# Altium PCB 6sPwr.PcbDoc (part 1 of 2)
Units mm, origin at the board's own origin, x right, y up, seen from the top; angles counter-clockwise.
Board outline 38.5 x 38.5 mm, 4 copper layers (Top Layer (L1), Ground (L2), Ground (L3), Bottom Layer (L4)), stack 1.558 mm thick; 111 components, 79 nets, 365 pads, 302 vias.
Unrouted connection lines stored in the file: 17.
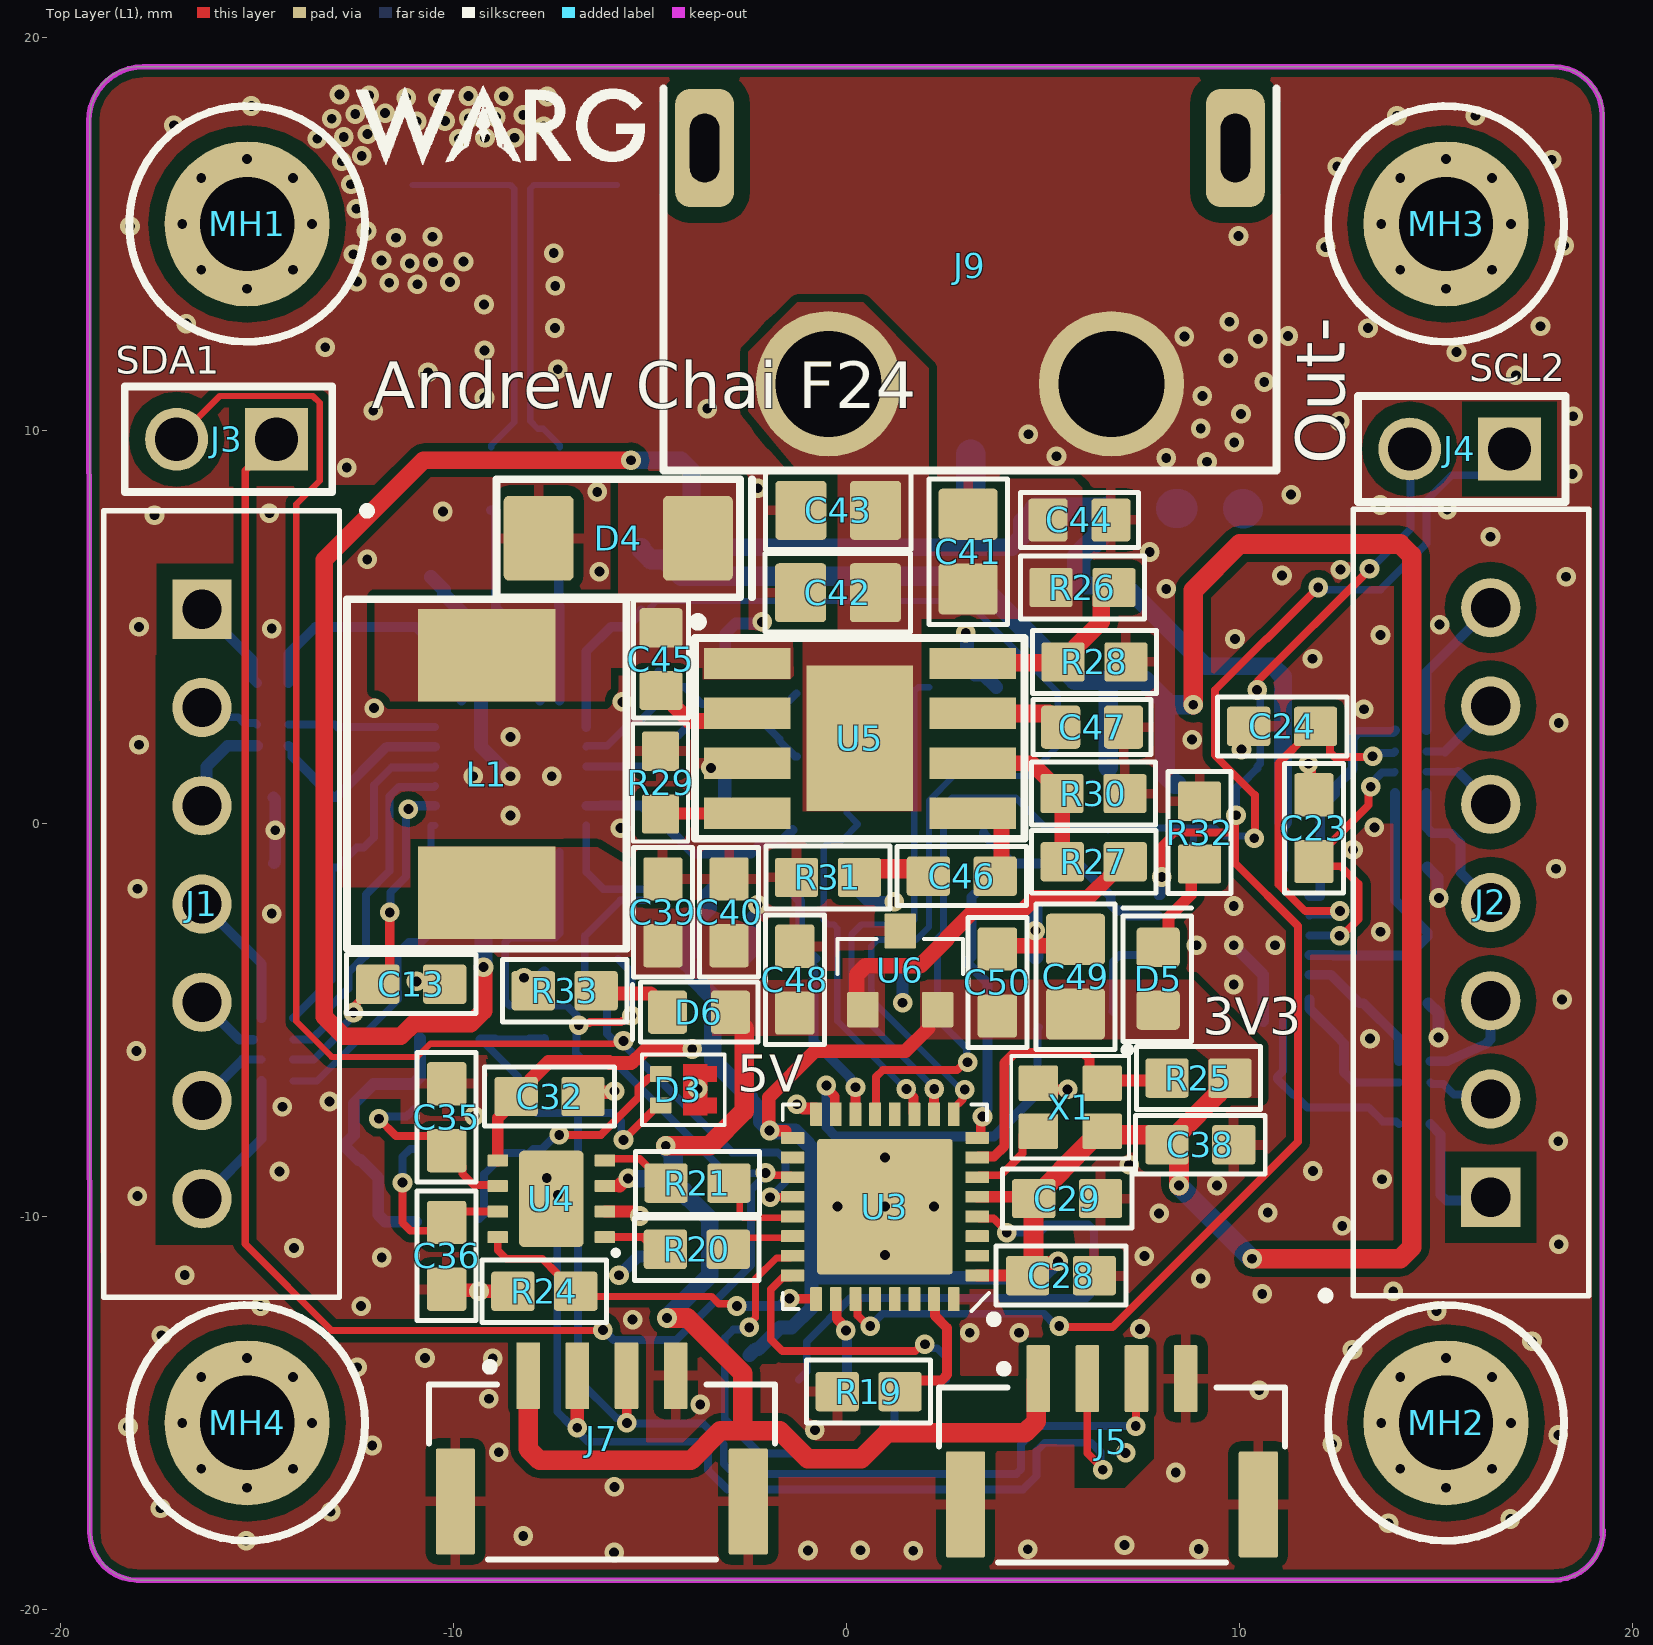
[diagram p0: Top Layer (L1) view]
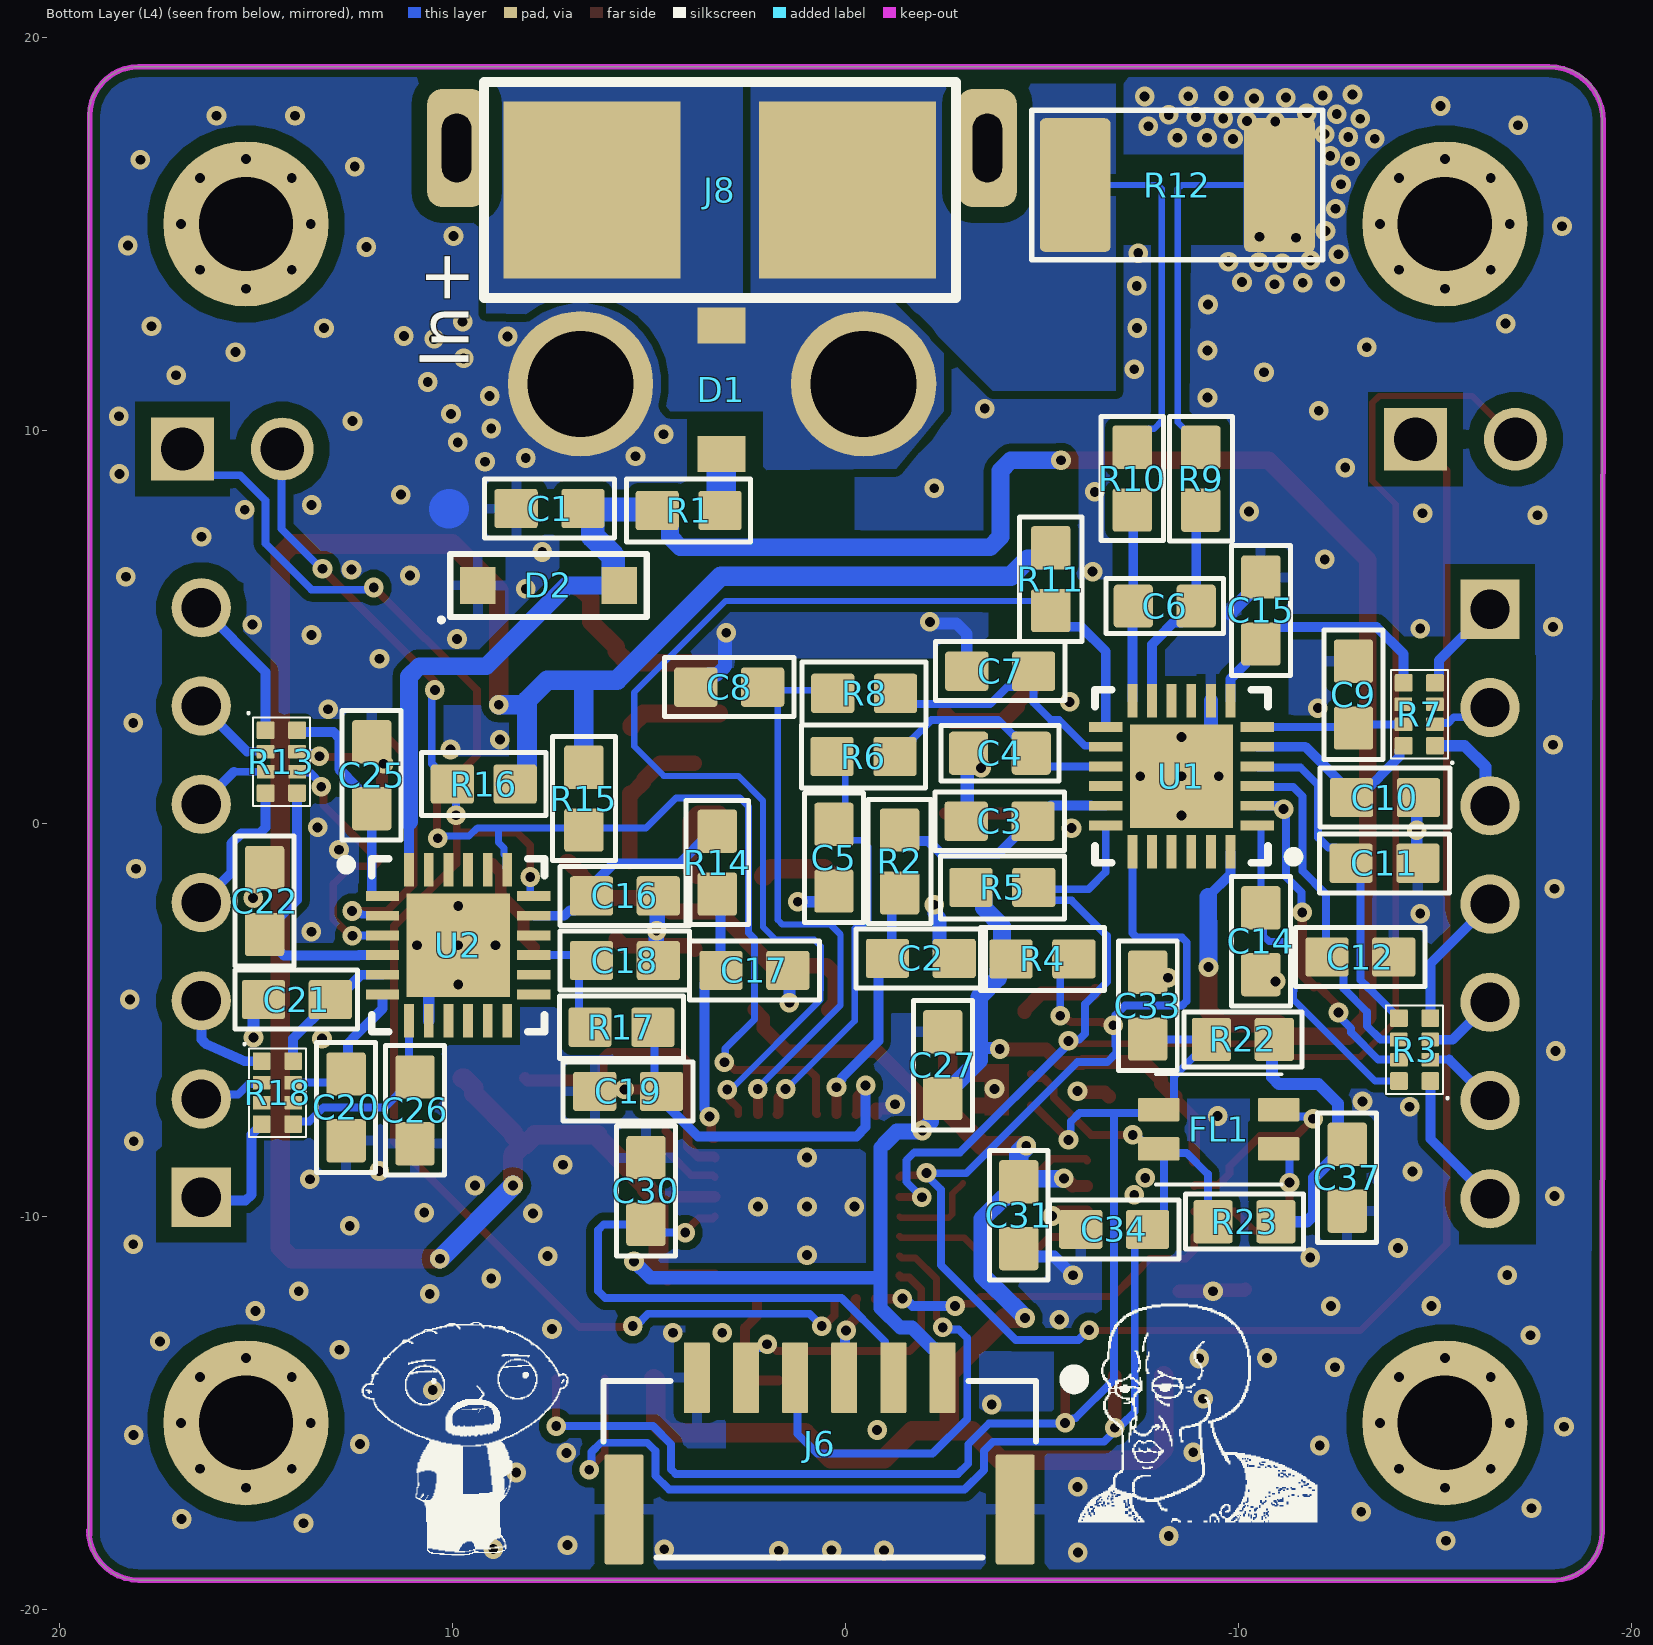
[diagram p1: Bottom Layer (L4) view, seen from below]
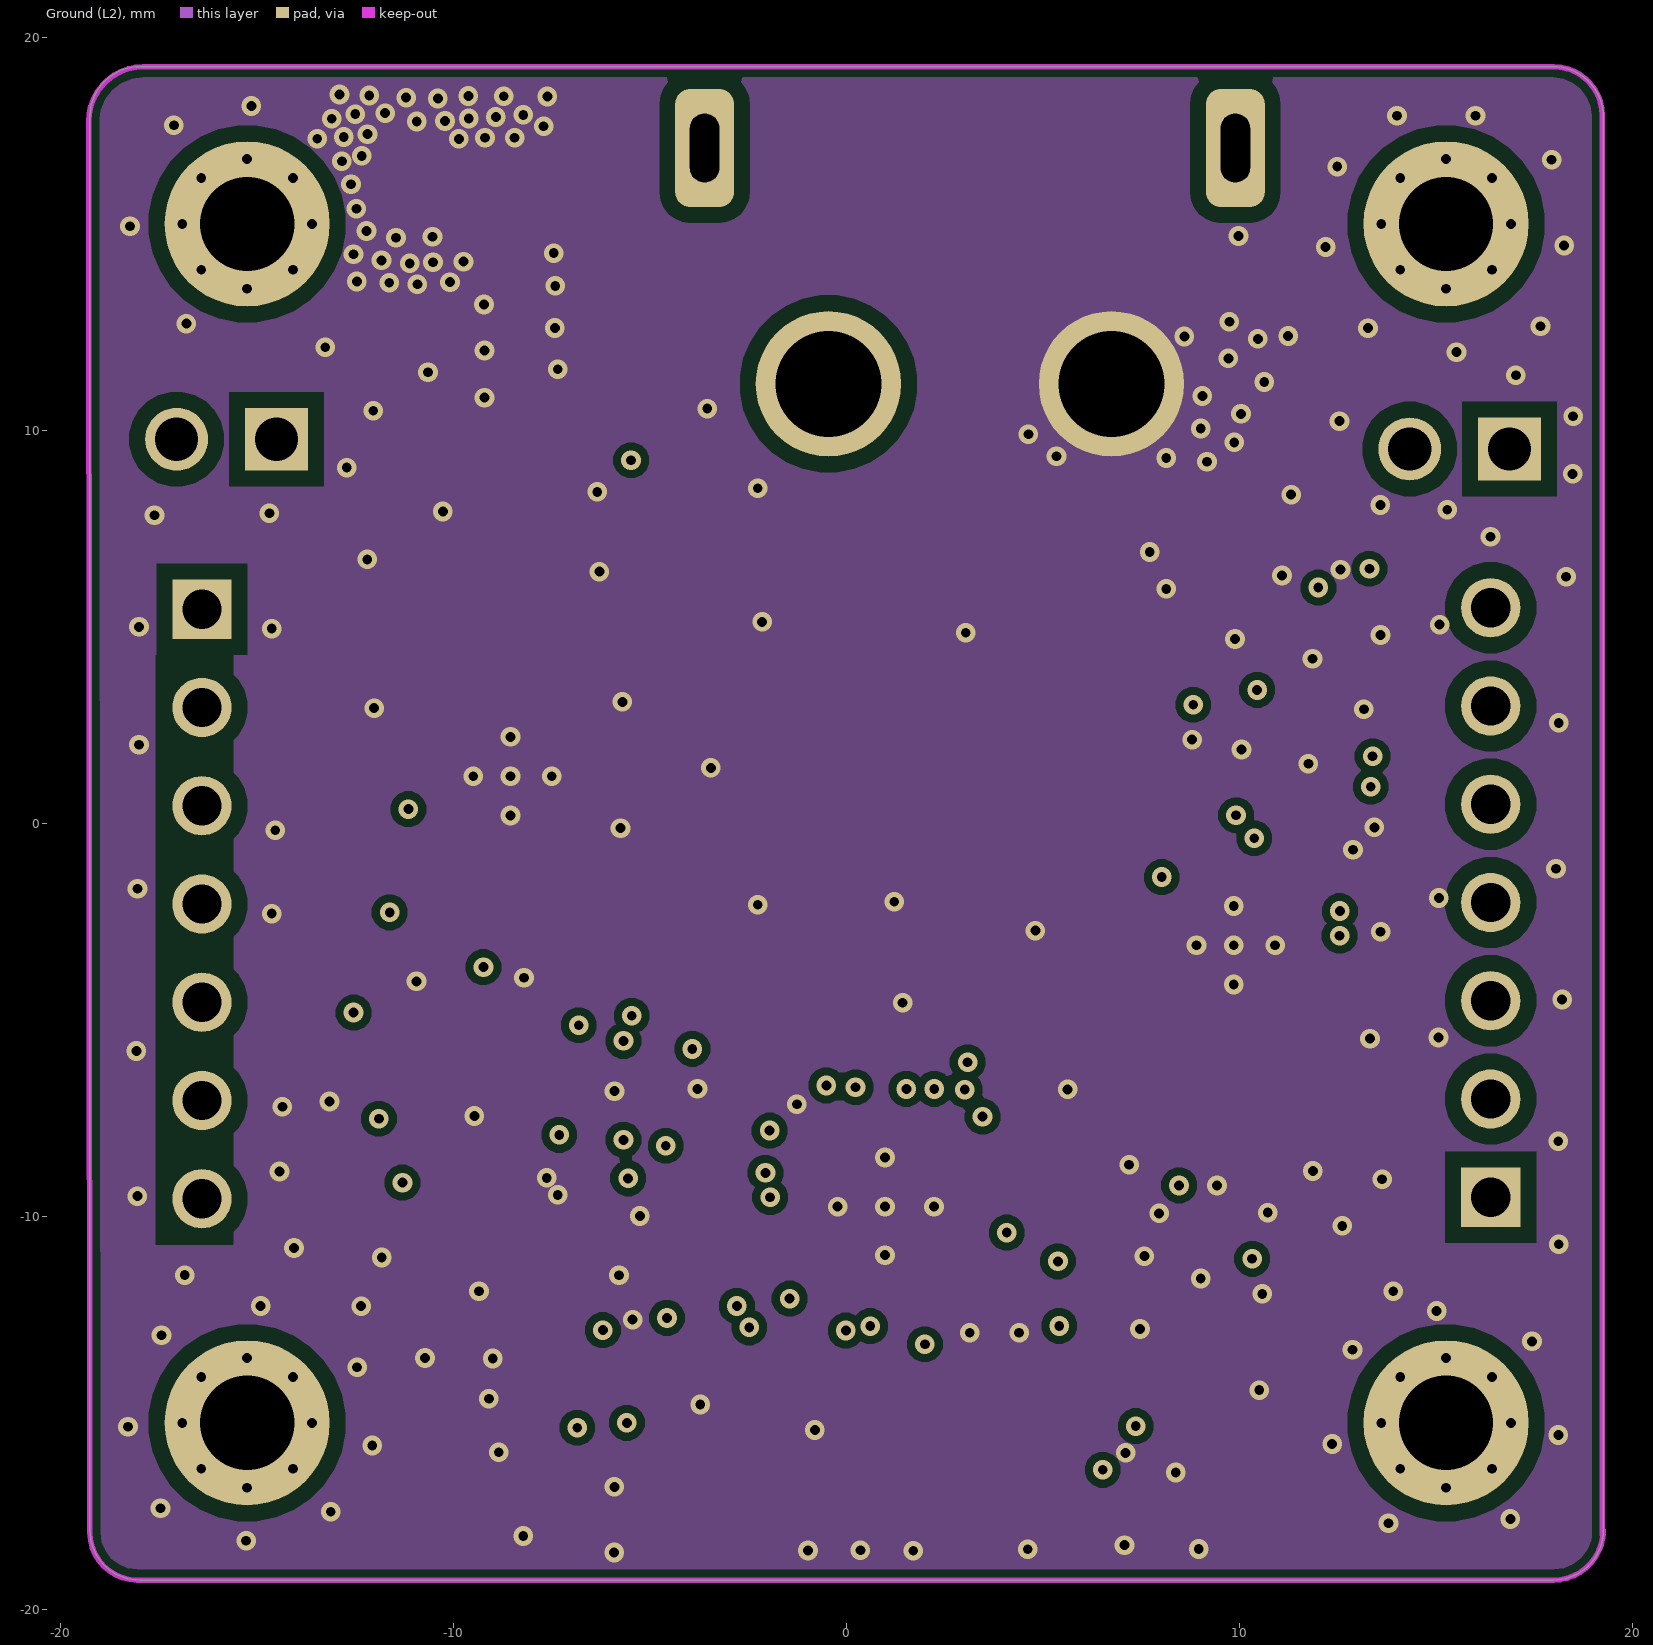
[diagram p2: Ground (L2)]
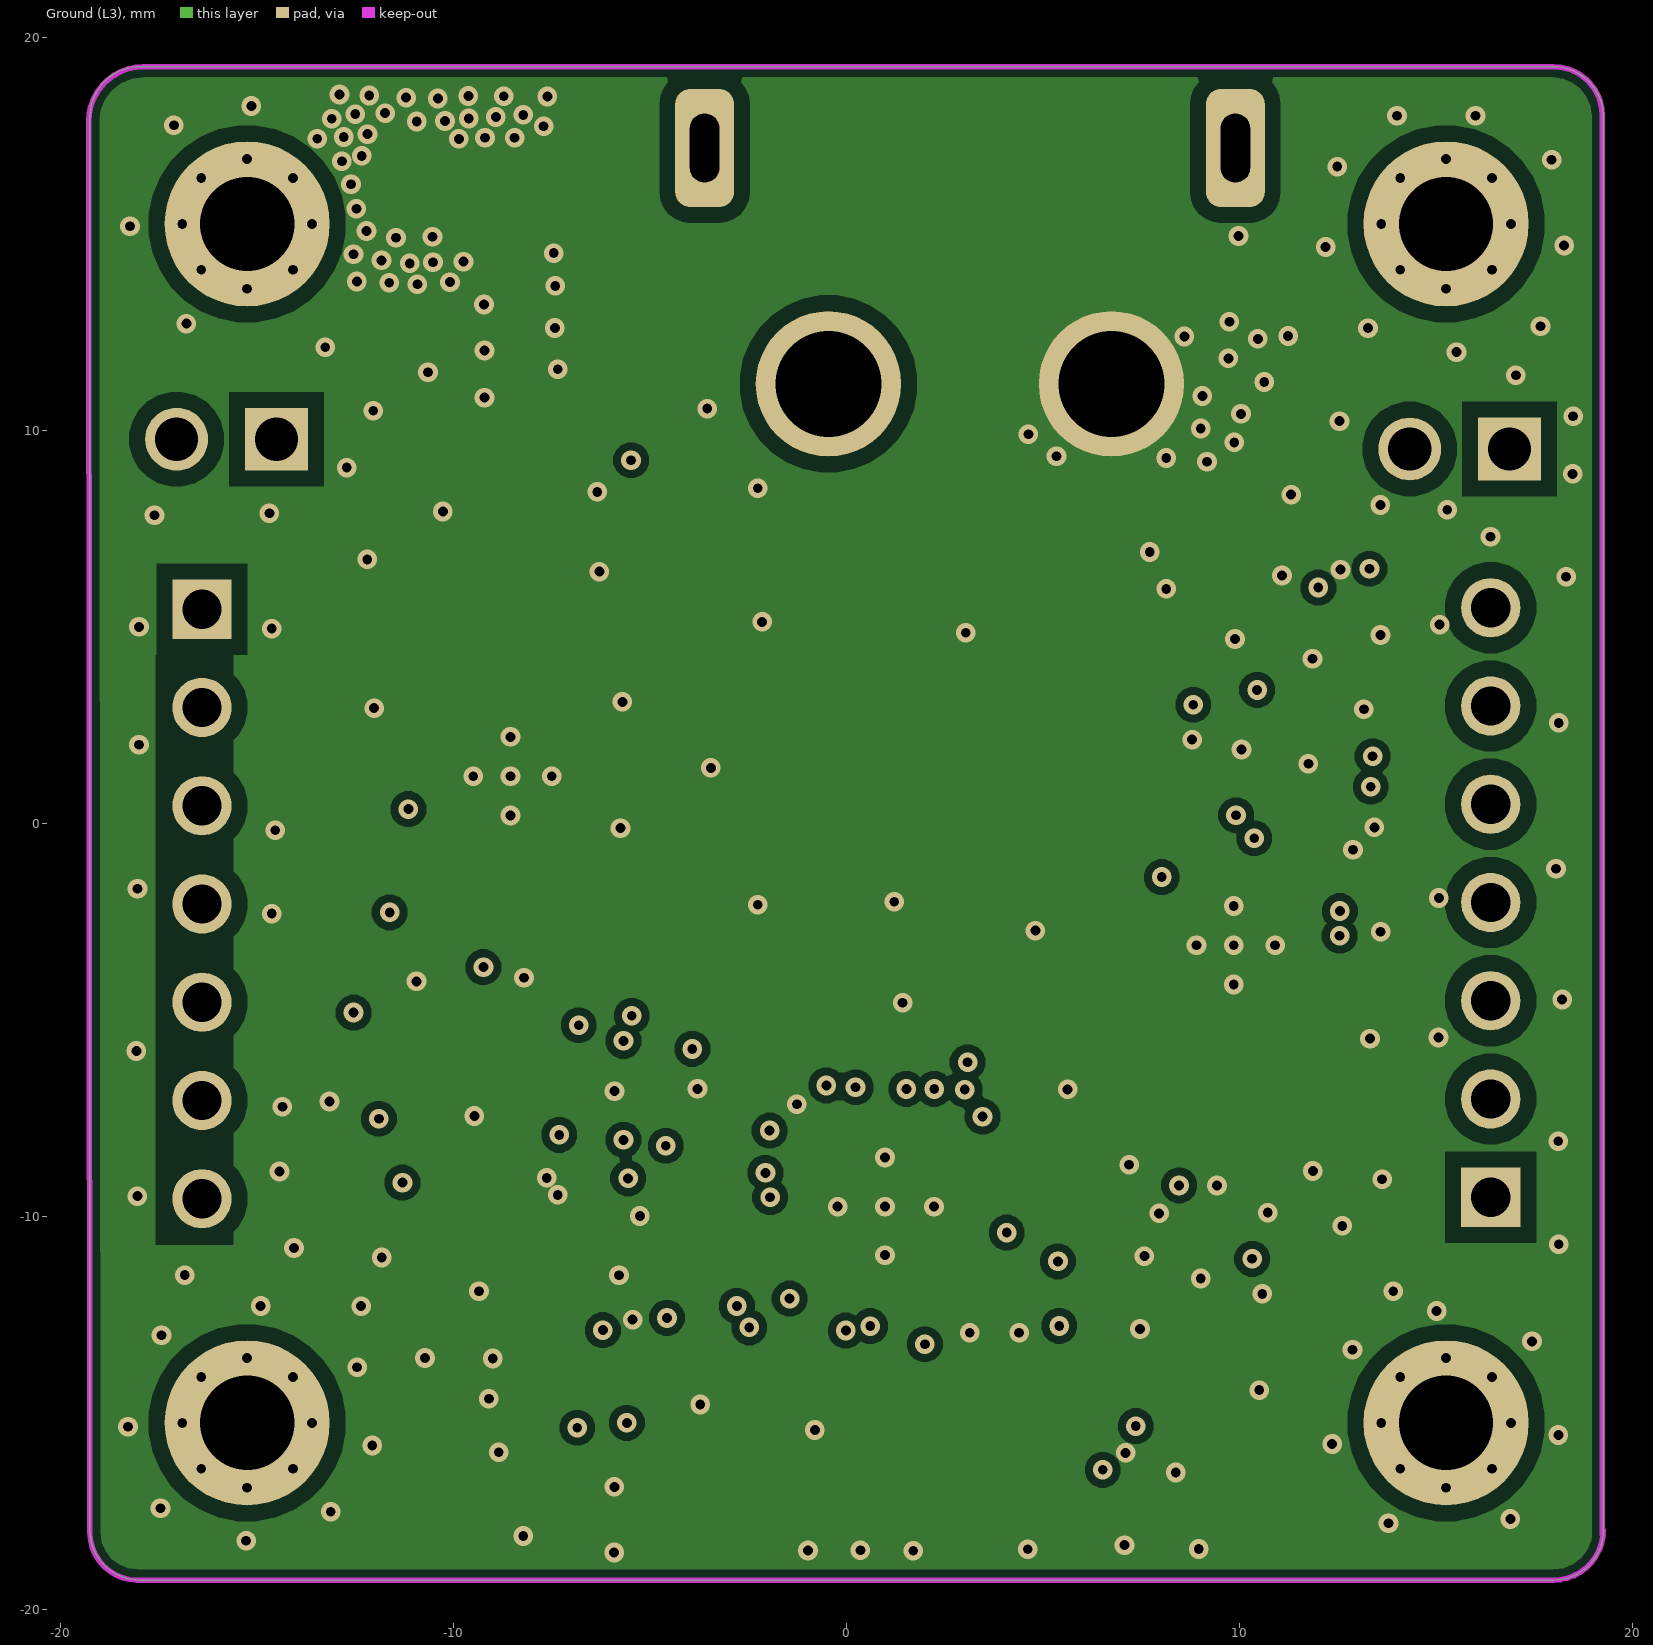
[diagram p3: Ground (L3)]
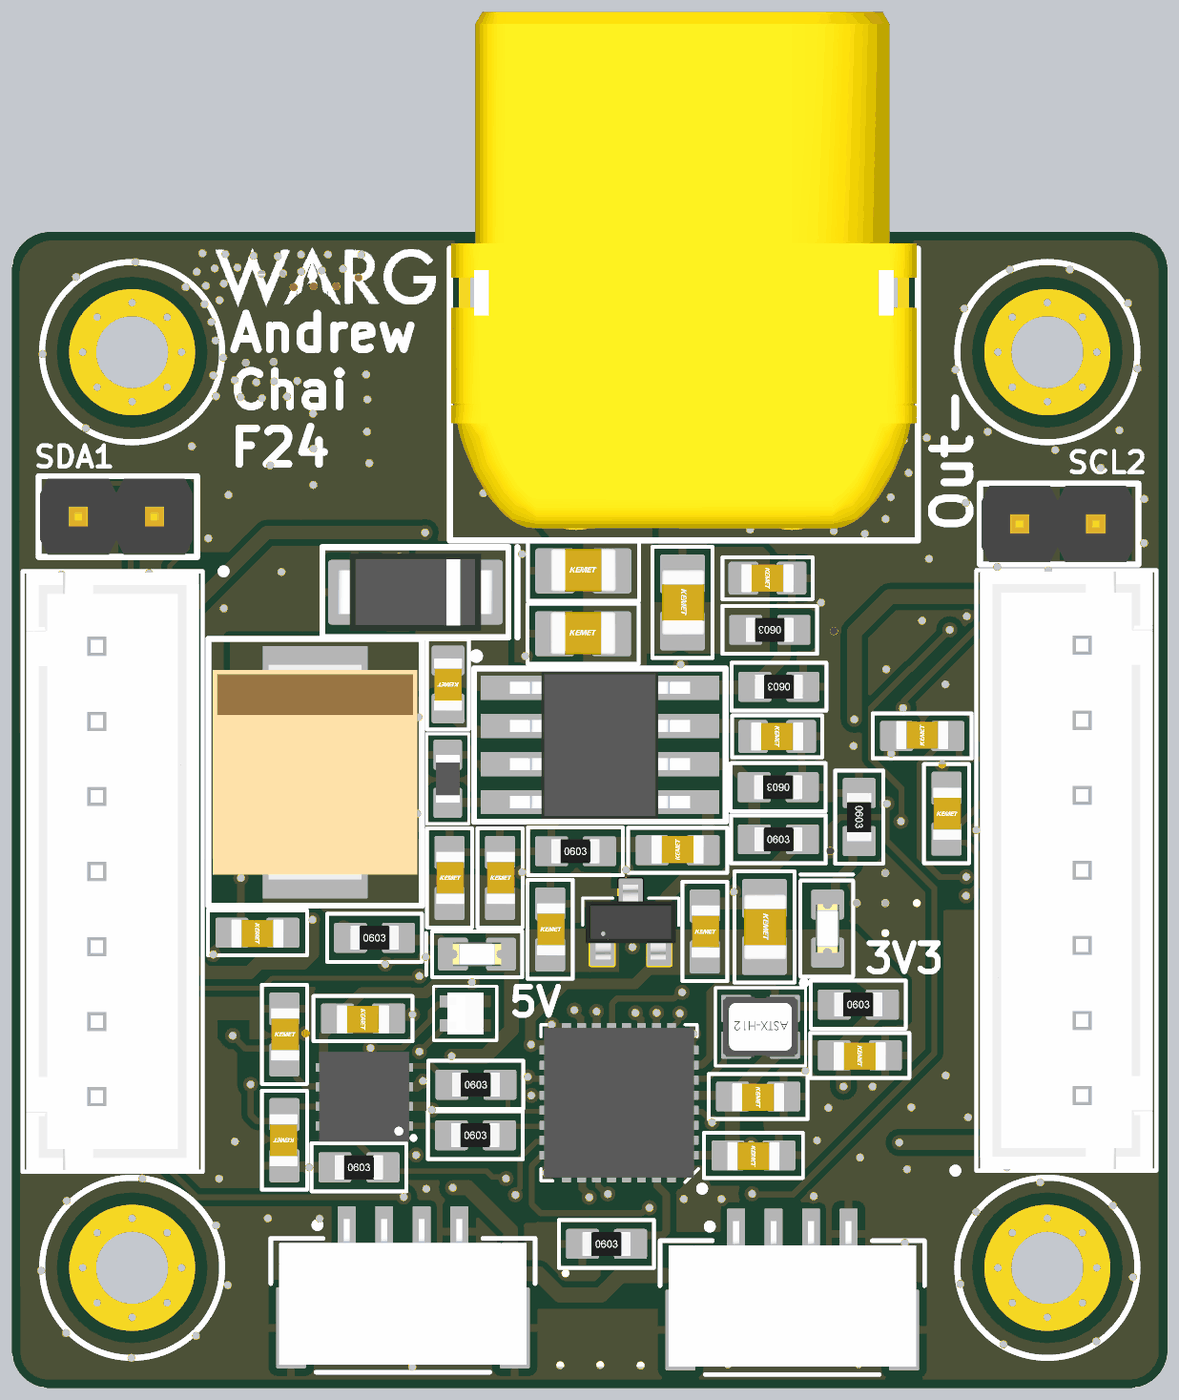
[diagram p5: 3D render of the assembled board from above, using the file's embedded part models]
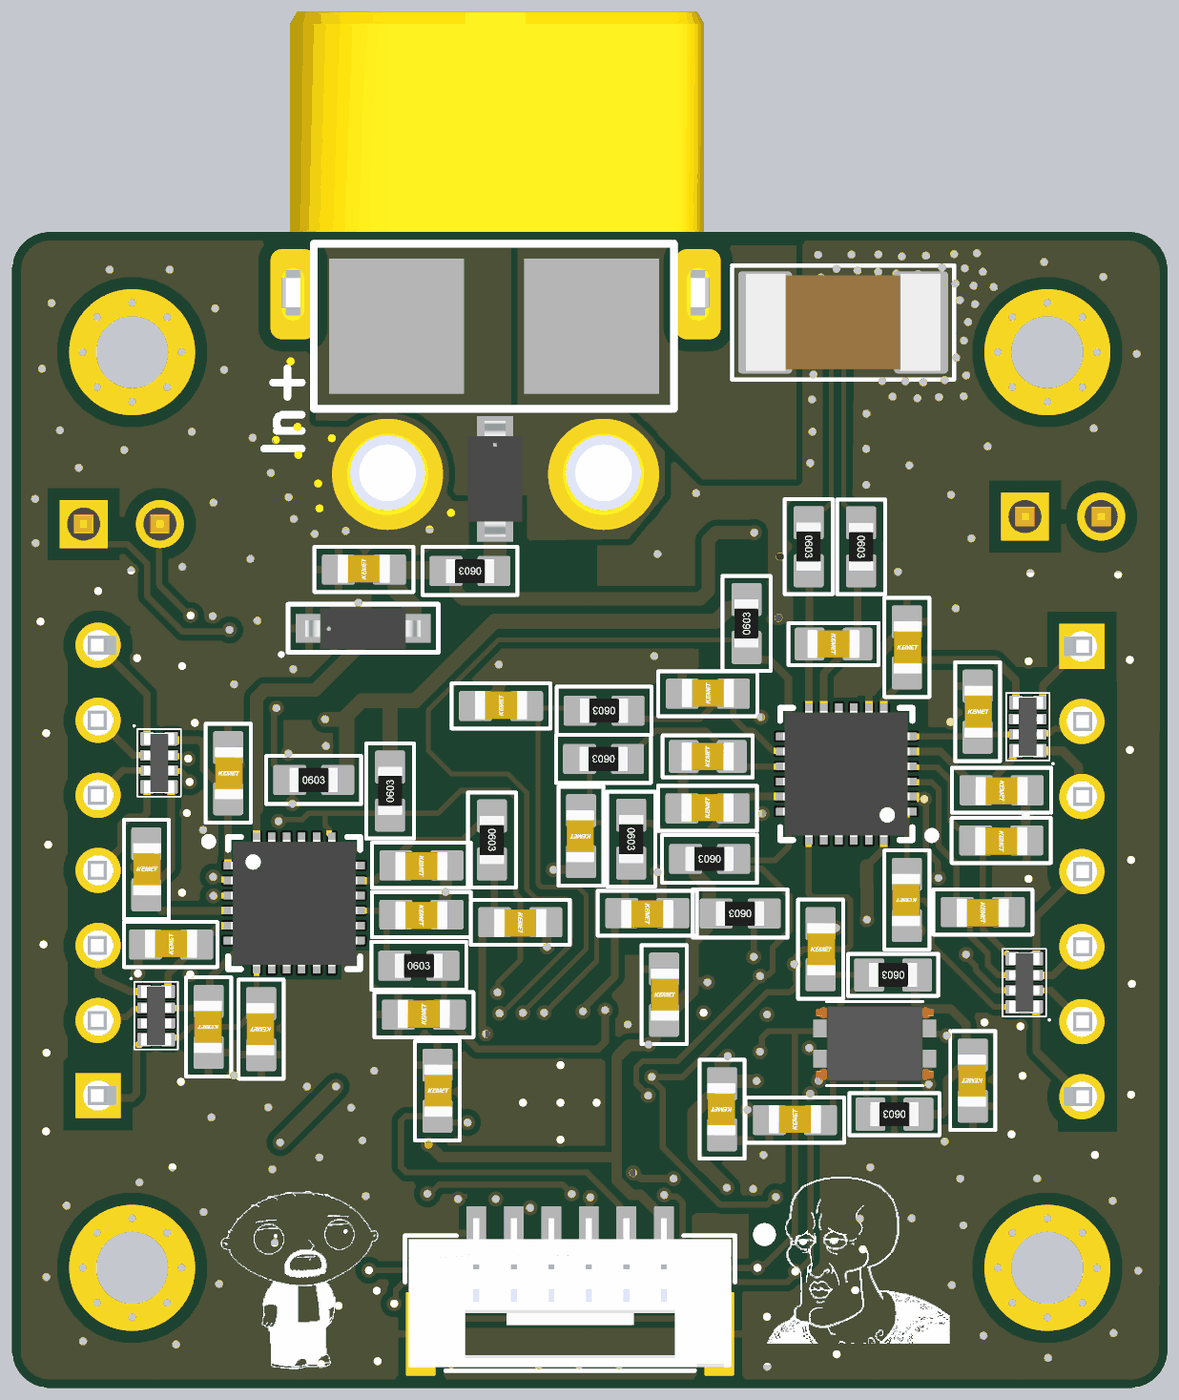
[diagram p6: 3D render of the assembled board from below, using the file's embedded part models]

## Layer stack, top to bottom
Top Solder: solder mask 0.0102, Solder Resist, Dk 3.5
Top Layer (L1): signal copper 0.035
Dielectric 3: prepreg 0.0764, PP-006, Dk 3.91
Ground (L2): signal copper 0.0175
Dielectric 2: core 1.3, FR-4, Dk 4.6
Ground (L3): signal copper 0.0175
Dielectric 1: prepreg 0.0764, PP-006, Dk 3.91
Bottom Layer (L4): signal copper 0.035
Bottom Solder: solder mask 0.0102, Solder Resist, Dk 3.5

## Board outline
-19.25,-17.98 ccw(c-17.98,-17.98) -17.98,-19.25 17.98,-19.25 ccw(c17.98,-17.98) 19.25,-17.98 19.25,17.98 ccw(c17.98,17.98) 17.98,19.25 -17.98,19.25 ccw(c-17.98,17.98) -19.25,17.98

## Design rules (kind name [scope] priority, off if disabled: settings)
BoardOutlineClearance [All] p1: gap=0.2 ignorepadtopadclearanceinfootprint=FALSE except(0.4: Arc-SplitBarrior Arc-SplitContinuation Track-SplitBarrior Track-SplitContinuation SMDPad-SplitBarrior SMDPad-SplitContinuation THPad-SplitBarrior THPad-SplitContinuation Via-SplitBarrior Via-SplitContinuation Fill-SplitBarrior Fill-SplitContinuation Poly-SplitBarrior Poly-SplitContinuation Region-SplitBarrior Region-SplitContinuation Text-SplitBarrior Text-SplitContinuation)
Clearance [All] p1: gap=0.2 ignorepadtopadclearanceinfootprint=FALSE except(0.125: Arc-Via Track-Via SMDPad-Via THPad-Via Via-Via; 0.127: SMDPad-SMDPad; 0.15: Arc-Text Track-Text SMDPad-Text THPad-Text Via-Text Fill-Text Poly-Text Region-Text Text-Text; 0.254: Arc-Hole Track-Hole SMDPad-Hole THPad-Hole Via-Hole Fill-Hole Poly-Hole Region-Hole Text-Hole; 0.4: THPad-Fill THPad-Poly THPad-Region)
ComponentClearance [All] p1: gap=0.254 collisioncheckmode=3 verticalgap=0.254 showdistances=FALSE donotcheckwithout3dbody=TRUE
HoleSize [All] p1: absolutevalues=TRUE maxlimit=6.3 minlimit=0.2 maxpercent=80.000 minpercent=20.000
MinimumAnnularRing [All] p1: minimumring=0.076
MinimumSolderMaskSliver [All] p1: minsoldermaskwidth=0.05
PasteMaskExpansion [All] p1: expansion=0 percent=-40.000000
PolygonConnect [InNet('GND') vs InNet('GND')] p1: thpad.connectstyle=Direct thpad.reliefconductorwidth=0.254 thpad.reliefentries=4 thpad.polygonreliefangle="90 Angle" thpad.airgapwidth=0.254 smdpad.connectstyle=Relief smdpad.reliefconductorwidth=0.254 smdpad.reliefentries=4 smdpad.polygonreliefangle="90 Angle" smdpad.airgapwidth=0.254 via.connectstyle=Direct via.reliefconductorwidth=0.254 via.reliefentries=4 via.polygonreliefangle="90 Angle" via.airgapwidth=0.254
PolygonConnect PolygonConnect_1 [All] p2: connectstyle=Direct reliefconductorwidth=0.254 reliefentries=4 polygonreliefangle="90 Angle" airgapwidth=0.254
RoutingCorners [All] p1: cornerstyle=Round minsetback=2.54 maxsetback=2.54
RoutingVias [All] p1: holewidth=0.3 width=0.5 viastyle="Through Hole" minholewidth=0.2 minwidth=0.41 maxholewidth=1 maxwidth=2
SilkToSilkClearance [All] p1: silktosilkclearance=0.1
SilkToSolderMaskClearance [IsPad] p1: minsilkscreentomaskgap=0.1 clearancetoexposedcopper=TRUE
SolderMaskExpansion ViaSolderMaskExpansion [IsVia] p1: expansion=0.102 istentingtop=TRUE
SolderMaskExpansion [All] p2: expansion=0 istentingtop=FALSE
SupplyNets "Schematic Supply Nets_2" [InNet('GND')] p1: voltage=0.000
SupplyNets "Schematic Supply Nets_6" [InNet('PACK-')] p2: voltage=0.000
SupplyNets "Schematic Supply Nets_5" [InNet('PACK+')] p3: voltage=0.000
SupplyNets "Schematic Supply Nets_1" [InNet('+5V2')] p4: voltage=0.000
SupplyNets "Schematic Supply Nets" [InNet('+3V3')] p5: voltage=0.000
Width [All] p1: maxlimit=2.54 minlimit=0.16 preferedwidth=0.2
23 further rules are at their usual default settings.

## Classes and differential pairs
component class Power: C39 C40 C41 C42 C43 C44 C45 C46 C47 C48 C49 C50 D4 D5 D6 J8 J9 L1 MH1 MH2 MH3 MH4 R26 R27 R28 R29 R30 R31 R32 R33 U5 U6
component class Pack_monitoring: C1 C2 C3 C4 C5 C6 C7 C8 C9 C10 C11 C12 C13 C14 C15 C16 C17 C18 C19 C20 C21 C22 C23 C24 C25 C26 D1 D2 J1 J2 R1 R2 R3 R4 R5 R6 R7 R8 R9 R10 R11 R12 R13 R14 R15 R16 R17 R18 U1 U2
component class MCU: C27 C28 C29 C30 C31 C32 C33 C34 C35 C36 C37 C38 D3 FL1 J3 J4 J5 J6 J7 R19 R20 R21 R22 R23 R24 R25 U3 U4 X1
